# Altium PCB STB_SensorBoard.PcbDoc (part 1 of 4) (continued)
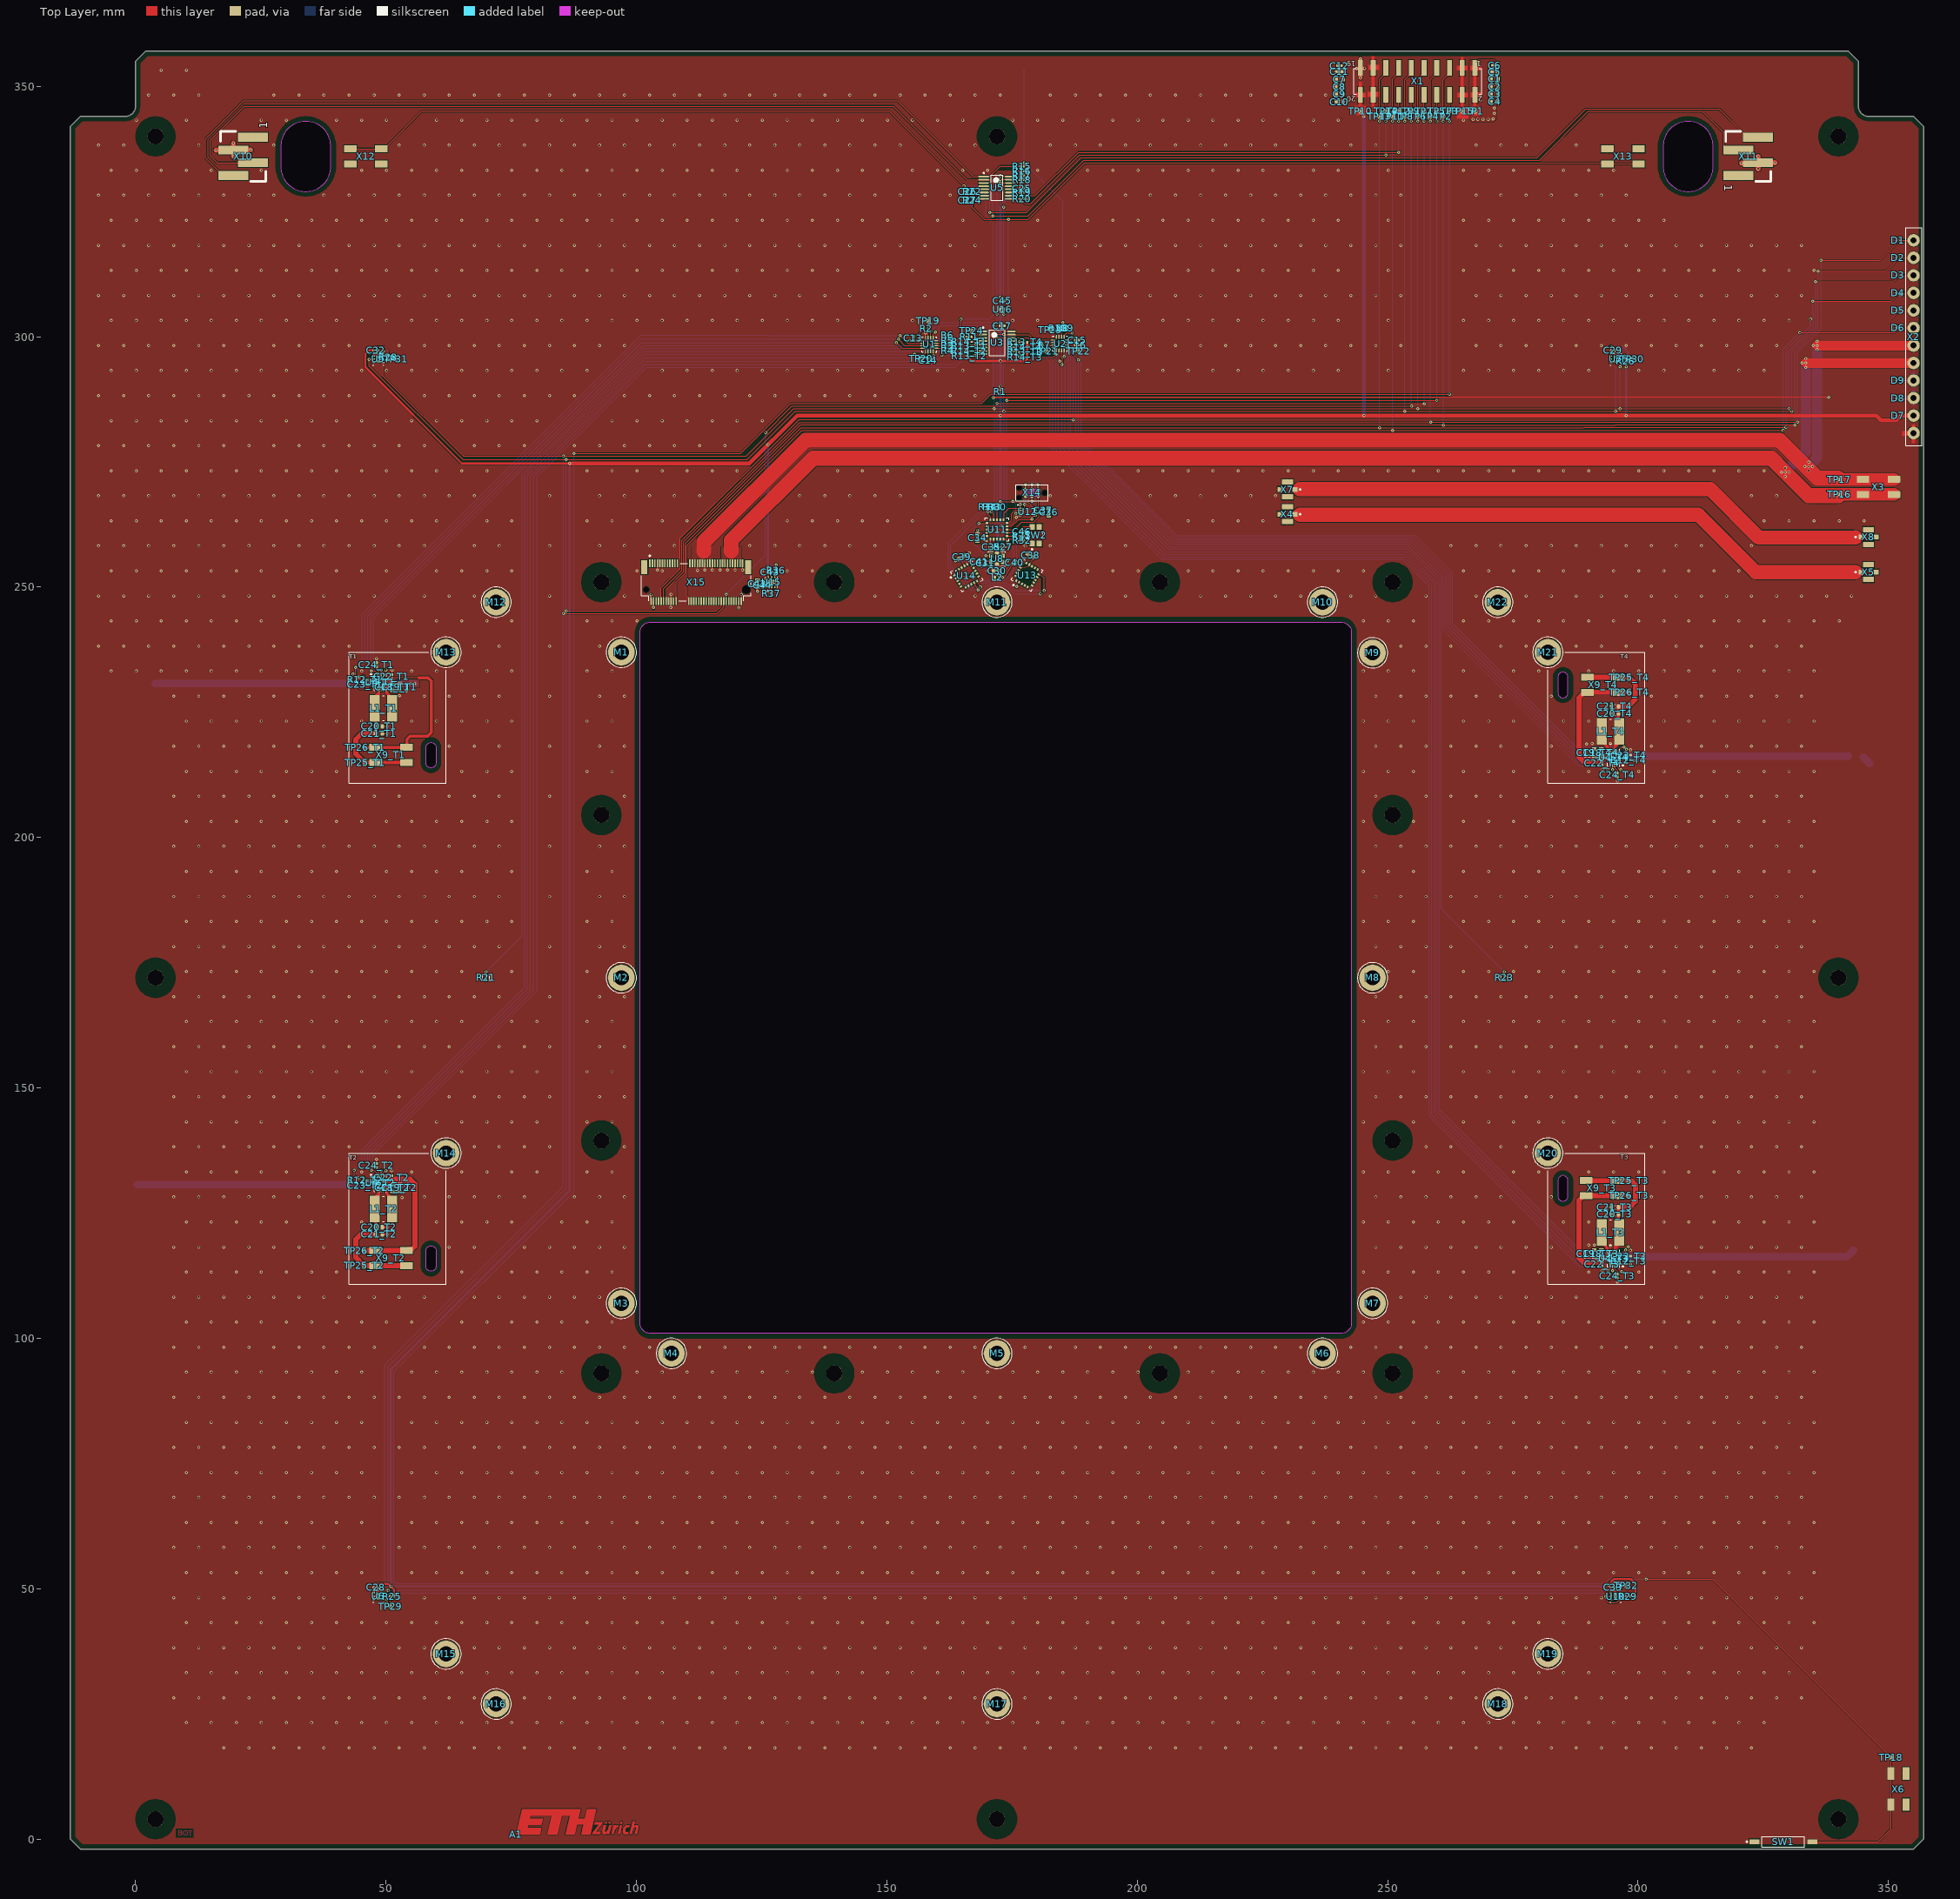
[diagram p0: Top Layer view]
## Components (designator, comment, footprint, x,y, rotation, side; value= is the part's Value field where it differs from the comment) (continued)
R6 "100k" RESC1005X40X25LL05T10 162.152,300.318 r180 top value="100 kOhm"
R7 "10k" RESC1005X40X25LL05T05 181.523,298.35 r180 top value="10 kOhm"
R8 "560k" RESC1005X40X25LL05T05 185.136,301.741 r270 top value="560 kOhm"
R9 "100k" RESC1005X40X25LL05T10 186.134,301.741 r270 top value="100 kOhm"
R10 "100k" RESC1005X40X25LL05T10 184.203,301.741 r270 top value="100 kOhm"
R11 "10k" RESC1005X40X25LL05T05 166.49,299.976 r0 top value="10 kOhm"
R12_T1 "10k" RESC1005X40X25LL05T05 45.9,231.532 r180 top value="10 kOhm" (schematic designator R12)
R12_T2 "10k" RESC1005X40X25LL05T05 45.9,131.532 r180 top value="10 kOhm" (schematic designator R12)
R12_T3 "10k" RESC1005X40X25LL05T05 298.1,115.438 r0 top value="10 kOhm" (schematic designator R12)
R12_T4 "10k" RESC1005X40X25LL05T05 298.1,215.468 r0 top value="10 kOhm" (schematic designator R12)
R13_T1 "10k" RESC1005X40X25LL05T05 166.49,298.1 r180 top value="10 kOhm" (schematic designator R13)
R13_T2 "10k" RESC1005X40X25LL05T05 166.49,296.168 r180 top value="10 kOhm" (schematic designator R13)
R13_T3 "10k" RESC1005X40X25LL05T05 177.625,296.886 r0 top value="10 kOhm" (schematic designator R13)
R13_T4 "10k" RESC1005X40X25LL05T05 177.625,298.882 r0 top value="10 kOhm" (schematic designator R13)
R14_T1 "10k" RESC1005X40X25LL05T05 166.495,299.043 r180 top value="10 kOhm" (schematic designator R14)
R14_T2 "10k" RESC1005X40X25LL05T05 166.495,297.112 r180 top value="10 kOhm" (schematic designator R14)
R14_T3 "10k" RESC1005X40X25LL05T05 177.625,295.842 r0 top value="10 kOhm" (schematic designator R14)
R14_T4 "10k" RESC1005X40X25LL05T05 177.62,297.939 r0 top value="10 kOhm" (schematic designator R14)
R15 "4k7" RESC1005X40X25LL05T10 177.028,334 r0 top value="4.7 kOhm"
R16 "4k7" RESC1005X40X25LL05T10 177.028,333.087 r0 top value="4.7 kOhm"
R17 "4k7" RESC1005X40X25LL05T10 177.028,332.2 r0 top value="4.7 kOhm"
R18 "4k7" RESC1005X40X25LL05T10 177.003,331.337 r0 top value="4.7 kOhm"
R19 "10k" RESC1005X40X25LL05T05 177.003,328.772 r0 top value="10 KOhm"
R20 "10k" RESC1005X40X25LL05T05 177.003,327.496 r0 top value="10 KOhm"
R21 "NCP15XH103F03RC" FP-NCP15-NCU15-0_05-IPC_C 70,172 r270 top value="10 kOhm"
R22 "1k6" RESC1005X40X25LL05T10 167.124,328.944 r90 top value="1.6 kOhm"
R23 "NCP15XH103F03RC" FP-NCP15-NCU15-0_05-IPC_C 273.325,172 r270 top value="10 kOhm"
R24 "1k6" RESC1005X40X25LL05T10 167.124,327.25 r90 top value="1.6 kOhm"
R25 "10k" RESC1005X40X25LL05T05 51.25,48.5 r0 top value="10 kOhm"
R26 "10k" RESC1005X40X25LL05T05 297.575,295.08 r270 top value="10 kOhm"
R27 "10k" RESC1005X40X25LL05T05 173.225,257.99 r180 top value="10 kOhm"
R28 "10k" RESC1005X40X25LL05T05 50.498,295.883 r90 top value="10 kOhm"
R29 "10k" RESC1005X40X25LL05T05 298,48.5 r0 top value="10 kOhm"
R30 "10k" RESC1005X40X25LL05T05 172,266.026 r90 top value="10 kOhm"
R31 "DNP" RESC1005X40X25LL05T05 176.983,260.2 r0 top value="10 kOhm"
R32 "DNP" RESC1005X40X25LL05T05 177.01,259.309 r0 top value="10 kOhm"
R33 "10k" RESC1005X40X25LL05T05 171.095,266.026 r90 top value="10 kOhm"
R34 "10k" RESC1005X40X25LL05T05 170.222,266.026 r90 top value="10 kOhm"
R36 "100k" RESC1005X40X25LL05T10 127.965,253.36 r270 top value="100 kOhm"
R37 "1M" RESC1005X40X25LL05T10 126.994,248.696 r90 top value="1 MOhm"
SW1 "MK17-B-2" SMEL-MK17-B-2_V 329,-0.5 r0 top
SW2 "DNP" PNSC-EVPAA_V 179.73,260.364 r90 top
TP1 "testPoint_1mm" TP-SM-C-100 267.43,345.002 r0 top
TP2 "testPoint_1mm" TP-SM-C-100 261.097,344.008 r90 top
TP3 "testPoint_1mm" TP-SM-C-100 262.35,345 r90 top
TP4 "testPoint_1mm" TP-SM-C-100 258.554,344.008 r90 top
TP5 "testPoint_1mm" TP-SM-C-100 259.81,345 r90 top
TP6 "testPoint_1mm" TP-SM-C-100 256,344 r90 top
TP7 "testPoint_1mm" TP-SM-C-100 257.27,345 r90 top
TP8 "testPoint_1mm" TP-SM-C-100 253.4,344 r90 top
TP9 "testPoint_1mm" TP-SM-C-100 254.73,345 r90 top
TP10 "testPoint_1mm" TP-SM-C-100 244.57,345 r90 top
TP11 "testPoint_1mm" TP-SM-C-100 251,344 r90 top
TP12 "testPoint_1mm" TP-SM-C-100 252.241,345 r90 top
TP13 "testPoint_1mm" TP-SM-C-100 248.381,343.997 r90 top
TP14 "testPoint_1mm" TP-SM-C-100 249.65,345 r90 top
TP15 "testPoint_1mm" TP-SM-C-100 264.89,345.007 r90 top
TP16 "testPoint_1mm" TP-SM-C-100 340.213,268.5 r90 top
TP17 "testPoint_1mm" TP-SM-C-100 340.213,271.5 r90 top
TP18 "testPoint_1mm" TP-SM-C-100 350.5,16.3 r90 top
TP19 "testPoint_1mm" TP-SM-C-100 158.225,303.2 r90 top
TP20 "testPoint_1mm" TP-SM-C-100 156.824,295.594 r90 top
TP21 "testPoint_1mm" TP-SM-C-100 181.923,297.089 r180 top
TP22 "testPoint_1mm" TP-SM-C-100 188.318,297.1 r180 top
TP23 "testPoint_1mm" TP-SM-C-100 182.673,301.366 r180 top
TP24 "testPoint_1mm" TP-SM-C-100 166.895,301.143 r90 top
TP25_T1 "testPoint_1mm" TP-SM-C-100 45.829,214.986 r0 top (schematic designator TP25)
TP25_T2 "testPoint_1mm" TP-SM-C-100 45.656,114.53 r0 top (schematic designator TP25)
TP25_T3 "testPoint_1mm" TP-SM-C-100 298.1,131.5 r0 top (schematic designator TP25)
TP25_T4 "testPoint_1mm" TP-SM-C-100 298.187,232 r180 top (schematic designator TP25)
TP26_T1 "testPoint_1mm" TP-SM-C-100 45.829,217.986 r0 top (schematic designator TP26)
TP26_T2 "testPoint_1mm" TP-SM-C-100 45.656,117.53 r0 top (schematic designator TP26)
TP26_T3 "testPoint_1mm" TP-SM-C-100 298.1,128.5 r0 top (schematic designator TP26)
TP26_T4 "testPoint_1mm" TP-SM-C-100 298.187,229 r180 top (schematic designator TP26)
TP29 "testPoint_1mm" TP-SM-C-100 50.879,46.5 r90 top
TP30 "testPoint_1mm" TP-SM-C-100 298.8,295.5 r90 top
TP31 "testPoint_1mm" TP-SM-C-100 52,295.5 r90 top
TP32 "testPoint_1mm" TP-SM-C-100 297.663,50.65 r90 top
U1 "AD5593RBCPZ-RL7" FP-CP-16-32-IPC_C 158.5,298.45 r0 top
U2 "AD5593RBCPZ-RL7" FP-CP-16-32-IPC_C 184.636,298.6 r90 top
U3 "PCA9646PW,118" TSSOP-16_N 172.05,298.8 r0 top
U4_T1 "MP8833GD-0000-Z" QFN40P200X300X100-16N 48.881,231.03 r0 top (schematic designator U4)
U4_T2 "MP8833GD-0000-Z" QFN40P200X300X100-16N 48.881,131.03 r0 top (schematic designator U4)
U4_T3 "MP8833GD-0000-Z" QFN40P200X300X100-16N 295.119,115.94 r180 top (schematic designator U4)
U4_T4 "MP8833GD-0000-Z" QFN40P200X300X100-16N 295.119,215.97 r180 top (schematic designator U4)
U5 "MAX6615AEE+T" MAXM-E16+1_M 172,329.75 r0 top
U6 "OPT3001DNPT" DNP0006A#1 48.5,48.5 r0 top locked
U7 "OPT3001DNPT" DNP0006A#2 295.5,295.5 r0 top locked
U8 "VEML6031X00" "6-SMD - No Thermal Pad_2" 172,255.651 r0 top
U9 "OPT3001DNPT" DNP0006A#2 48.5,295.5 r0 top locked
U10 "OPT3001DNPT" DNP0006A#2 295.5,48.5 r0 top locked
U11 "AS72651-BLGT" FP-AS72651-BLGT-MFG 172,261.5 r180 top
U12 "MX25L4006EZUI-12G" MXIC-USON-8_V 178.113,265.034 r0 top
U13 "AS72653-BLGT" FP-AS72653-BLGT-MFG 178,252.409 r60 top
U14 "AS72652-BLGT" FP-AS72652-BLGT-MFG 165.918,252.245 r30 top
U15 "TPS25200DRVT" FP-DRV0006A-MFG 126.996,251 r90 top
U16 "N24S64BC4DYT3G" "4-WLCSP (0.77x0.77)" 173.075,305.422 r0 top
X1 "61002021121" 61002021121 256,351 r180 top
X2 "1844317" 1844317 358.25,300 r90 top locked
X3 "2059-302/998-403" 2059-302/998-403 348,270 r0 top
X4 "73412-0110" MOLX-73412-0110_V 230,264.549 r90 top
X5 "73412-0110" MOLX-73412-0110_V 346,253 r270 top
X6 "2059-302/998-403" 2059-302/998-403 352,10 r270 top locked
X7 "73412-0110" MOLX-73412-0110_V 230,269.5 r90 top
X8 "73412-0110" MOLX-73412-0110_V 346,260 r270 top
X9_T1 "2059-302/998-403" 2059-302/998-403 51,216.5 r0 top (schematic designator X9)
X9_T2 "2059-302/998-403" 2059-302/998-403 51,116.03 r0 top (schematic designator X9)
X9_T3 "2059-302/998-403" 2059-302/998-403 292.733,130 r180 top (schematic designator X9)
X9_T4 "2059-302/998-403" 2059-302/998-403 293,230.5 r180 top (schematic designator X9)
X10 "3-647168-4" 3-647168-4 21.5,336 r90 top locked
X11 "3-647168-4" 3-647168-4 322,336 r270 top locked
X12 "2059-302/998-403" 2059-302/998-403 46,336 r180 top
X13 "2059-302/998-403" 2059-302/998-403 297,336 r0 top
X14 "TC2030-MCP-NL" TC2030-MCP-NL 178.975,268.835 r180 top
X15 "2199119-4" 2199119-4 111.95,251 r0 top locked

## Footprints (in the part's own frame and the unit in brackets; to place one, negate y for a bottom-side part, rotate by r counter-clockwise, add the part's x,y. Pads: shape width x height; smd on the part's side, far side on the other; paste and mask are expansions set on the pad)
3-647168-4 [mm] "04P MTA100 HDR ASSY SM 30AU LF"
  rect 1.78x5.97 smd paste-1: 1(3.81,-1.965) 2(1.27,1.965) 3(-1.27,-1.965) 4(-3.81,1.965)
  silkscreen extent -5,-4.5 5,4.5, body extent -5.08,-4.27 5.08,4.31, height 10.67
"4-WLCSP (0.77x0.77)" [mm] "BGA, 4-Balls, Body 0.77x0.77mm, Pitch 0.4mm"
  round 0.22 smd mask+0.032: A1(-0.2,0.2) A2(0.2,0.2) B1(-0.2,-0.2) B2(0.2,-0.2)
  silkscreen extent -0.55,-0.39 0.39,0.57, body extent -0.33,-0.33 0.33,0.33, height 0.4
"6-SMD - No Thermal Pad_2" [mm] "SMD, 6-Leads, Body 2.67x2.45mm"
  rect 0.85x0.79 smd: 1(0,-1.035) 4(0,1.035)
  rect 0.79x0.85 smd: 2(1.145,-0.6) 3(1.145,0.6) 5(-1.145,0.6) 6(-1.145,-0.6)
  silkscreen extent -1.65,-1.95 1.65,1.52, body extent -1.34,-1.23 1.34,1.23, height 0.6
2059-302/998-403 [mm] "2 pos"
  rect 2.5x1.4 smd paste-100: 1(-3.1,-1.5) 1(3.1,-1.5) 2(-3.1,1.5) 2(3.1,1.5)
  body extent -4,-2.95 3.85,2.95, height 2.7
1844317 [mm] "12 Position Terminal Block Header, Male Pins, Shrouded (4 Side) 0.138\" (3.50mm) 90°, Right Angle Through Hole"
  round 2.5 hole 1.2: 1(-19.25,3.25) 2(-15.75,3.25) 3(-12.25,3.25) 4(-8.75,3.25) 5(-5.25,3.25) 6(-1.75,3.25) 7(1.75,3.25) 8(5.25,3.25) 9(8.75,3.25) 10(12.25,3.25) 11(15.75,3.25) 12(19.25,3.25)
  silkscreen extent -21.75,1.61 21.75,4.75, body extent -21.7,-4.75 21.7,4.45, height 7.26
2199119-4 [mm] "CONN FEMALE 67POS 0.020 GOLD"
  rect 0.3x1.55 smd: 1(-9.25,3.775) 2(-9,-3.775) 3(-8.75,3.775) 4(-8.5,-3.775) 5(-8.25,3.775) 6(-8,-3.775) 7(-7.75,3.775) 8(-7.5,-3.775) 9(-7.25,3.775) 10(-7,-3.775) 11(-6.75,3.775) 12(-6.5,-3.775) 13(-6.25,3.775) 14(-6,-3.775) 15(-5.75,3.775) 16(-5.5,-3.775) 17(-5.25,3.775) 18(-5,-3.775) 19(-4.75,3.775) 20(-4.5,-3.775) 21(-4.25,3.775) 22(-4,-3.775) 23(-3.75,3.775) 32(-1.5,-3.775) 33(-1.25,3.775) 34(-1,-3.775) 35(-0.75,3.775) 36(-0.5,-3.775) 37(-0.25,3.775) 38(0,-3.775) 39(0.25,3.775) 40(0.5,-3.775) 41(0.75,3.775) 42(1,-3.775) 43(1.25,3.775) 44(1.5,-3.775) 45(1.75,3.775) 46(2,-3.775) 47(2.25,3.775) 48(2.5,-3.775) 49(2.75,3.775) 50(3,-3.775) 51(3.25,3.775) 52(3.5,-3.775) 53(3.75,3.775) 54(4,-3.775) 55(4.25,3.775) 56(4.5,-3.775) 57(4.75,3.775) 58(5,-3.775) 59(5.25,3.775) 60(5.5,-3.775) 61(5.75,3.775) 62(6,-3.775) 63(6.25,3.775) 64(6.5,-3.775) 65(6.75,3.775) 66(7,-3.775) 67(7.25,3.775) 68(7.5,-3.775) 69(7.75,3.775) 70(8,-3.775) 71(8.25,3.775) 72(8.5,-3.775) 73(8.75,3.775) 74(9,-3.775) 75(9.25,3.775)
  rect 1.2x2.75 smd: 76(-10.35,3) 77(10.35,3)
  round 0.5 hole 1.1 unplated mask+0.3: ""(-10,-1.5)
  round 1 hole 1.6 unplated mask+0.3: ""(10,-1.5)
  silkscreen extent -10.95,-3.75 10.95,5.37, body extent -10.95,-4.35 10.95,4.35, height 3.11
9774015243R [mm] "Round Standoff Threaded M2x0.4 Steel 0.059\" (1.50mm)"
  round 5.3 hole 3: 1(0,0)
  silkscreen extent -3.03,-3.03 3.03,3.03, body extent -2.17,-2.17 2.18,2.17, height 1.51
61002021121 [mm] "Pin Header, pitch 2.54 mm, SMD, Vertical, dual row, 20p"
  rect 1x3.1 smd: 1(-11.43,-2.7) 2(-11.43,2.7) 3(-8.89,-2.7) 4(-8.89,2.7) 5(-6.35,-2.7) 6(-6.35,2.7) 7(-3.81,-2.7) 8(-3.81,2.7) 9(-1.27,-2.7) 10(-1.27,2.7) 11(1.27,-2.7) 12(1.27,2.7) 13(3.81,-2.7) 14(3.81,2.7) 15(6.35,-2.7) 16(6.35,2.7) 17(8.89,-2.7) 18(8.89,2.7) 19(11.43,-2.7) 20(11.43,2.7)
  silkscreen extent -12.78,-2.56 12.78,2.57, body extent -12.7,-3.75 12.7,3.75, height 9.62
CAPC0603(1608)100_L [mm] "Chip Capacitor, Body 1.6x0.8mm, Height 1.0mm, IPC High Density"
  rect 0.7x0.9 smd: 1(-0.7,0) 2(0.7,0)
  silkscreen extent -0.05,-0.35 0.05,0.35, body extent -0.87,-0.47 0.88,0.48, height 1
CAPC1005X55X25ML5T10 [mm] "Chip Capacitor, 2-Leads, Body 1.05x0.55mm, IPC Low Density"
  rect 0.76x0.72 smd: 1(-0.49,0) 2(0.49,0)
  body extent -0.53,-0.28 0.53,0.28, height 0.55
CAPC1005X56X25LL10T15 [mm] "Chip Capacitor, 2-Leads, Body 1.00x0.50mm, IPC High Density"
  rect 0.58x0.54 smd: 1(-0.39,0) 2(0.39,0)
  body extent -0.55,-0.3 0.55,0.3, height 0.56
CAPC1050X55X23LL05T13 [mm] "Chip Capacitor, 2-Leads, Body 1.05x0.55mm, IPC High Density"
  rect 0.56x0.52 smd: 1(-0.39,0) 2(0.39,0)
  body extent -0.53,-0.28 0.53,0.28, height 0.55
CAPC1608X90X35LL15T15 [mm] "Chip Capacitor, 2-Leads, Body 1.60x0.81mm, IPC High Density"
  rect 0.85x0.9 smd: 1(-0.65,0) 2(0.65,0)
  body extent -0.88,-0.48 0.87,0.48, height 0.9
DNP0006A#1 [mm] "SON, 6-Leads, Body 2.1x2.1mm, Pitch 0.65mm, Thermal Pad 1.35x0.65mm"
  rrect40% 0.5x0.25 smd: 1(-0.95,0.75) 2(-0.95,0) 3(-0.95,-0.655) 4(0.95,-0.65) 5(0.95,0) 6(0.95,0.65)
  rrect15% 0.65x1.35 smd paste-0.5: 7(0,0)
  silkscreen extent -1.12,-1.15 1.12,1.15, body extent -1,-1 1,1, height 0.64
DNP0006A#2 [mm] "SON, 6-Leads, Body 2.1x2.1mm, Pitch 0.65mm, Thermal Pad 1.35x0.65mm"
  rrect40% 0.5x0.25 smd: 1(-0.95,0.65) 2(-0.95,0) 3(-0.95,-0.655) 4(0.95,-0.65) 5(0.95,0) 6(0.95,0.65)
  rrect15% 0.65x1.35 smd paste-0.5: 7(0,0)
  silkscreen extent -1.12,-1.15 1.12,1.15, body extent -1,-1 1,1, height 0.64
eth-zurich_5mm [mm] "Logo ETH Zurich"
  Top Layer circle w0.5: c20.997,2.288 r0.001
  Top Layer circle w0.45: c18.655,2.315 r0.001
  Top Layer circle w0.45: c17.94,2.315 r0.001
  Top Layer region: 23.53,1.6 23.53,1.6 23.415,1.465 23.667,2.602 23.257,2.602 22.69,0.04 23.1,0.04 23.25,0.723 23.335,0.925 23.435,1.105 23.535,1.265 23.635,1.37 23.715,1.425 23.795,1.465 23.855,1.465 23.915,1.445 23.955,1.405 23.965,1.345 23.965,1.265 23.955,1.195 23.697,0.04 24.142,0.04 24.335,0.925 24.408,1.255 24.415,1.405 24.395,1.545 24.355,1.665 24.275,1.745 24.175,1.805 24.095,1.825 23.935,1.825 23.775,1.785 23.635,1.705
  Top Layer region: 22.69,1.753 22.69,1.753 22.6,1.785 22.5,1.8 22.34,1.8 22.16,1.785 21.97,1.74 21.81,1.66 21.68,1.56 21.6,1.48 21.52,1.38 21.45,1.26 21.4,1.14 21.35,1 21.32,0.87 21.3,0.74 21.3,0.57 21.32,0.42 21.35,0.32 21.4,0.22 21.46,0.14 21.54,0.08 21.63,0.04 21.72,0.02 21.92,0 22.02,0 22.2,0.02 22.313,0.048 22.36,0.06 22.403,0.453 22.31,0.42 22.18,0.39 22.08,0.38 22.01,0.38 21.93,0.4 21.86,0.44 21.82,0.48 21.79,0.54 21.77,0.61 21.76,0.68 21.76,0.77 21.78,0.9 21.82,1.03 21.87,1.14 21.93,1.23 22.02,1.34 22.1,1.39 22.18,1.42 22.26,1.43 22.38,1.43 22.49,1.42 22.54,1.41 22.61,1.39
  Top Layer region: 20.73,0.04 20.73,0.04 21.117,1.785 20.707,1.785 20.32,0.04
  Top Layer region: 19.763,1.3 19.763,1.3 19.87,1.785 19.46,1.785 19.072,0.04 19.483,0.04 19.545,0.323 19.64,0.63 19.75,0.9 19.84,1.07 19.965,1.235 20.05,1.32 20.12,1.37 20.19,1.4 20.24,1.4 20.308,1.382 20.4,1.8 20.34,1.81 20.28,1.81 20.22,1.8 20.13,1.76 20.07,1.72 19.99,1.65 19.92,1.58 19.84,1.46
  Top Layer region: 18.61,0.04 18.61,0.04 18.998,1.785 18.535,1.785 18.385,1.102 18.3,0.9 18.2,0.72 18.1,0.56 18,0.455 17.92,0.4 17.84,0.36 17.78,0.36 17.72,0.38 17.68,0.42 17.67,0.48 17.67,0.56 17.68,0.63 17.938,1.785 17.492,1.785 17.3,0.9 17.227,0.57 17.22,0.42 17.24,0.28 17.28,0.16 17.36,0.08 17.46,0.02 17.54,0 17.7,0 17.86,0.04 18,0.12 18.105,0.225 18.22,0.36 18.15,0.04
  Top Layer region: 17.265,2.4 17.265,2.4 15.753,2.4 15.66,1.985 16.575,1.985 15.288,0.308 15.23,0.04 16.74,0.04 16.833,0.455 15.915,0.455 17.207,2.14
  Top Layer region: 14.825,0 14.825,0 16,5 14.155,5 13.712,3.117 12.432,3.117 12.872,5 1.175,5 0,0 1.953,0 4.73,0 5.035,1.3 2.26,1.3 2.402,1.91 5.058,1.91 5.34,3.11 2.682,3.11 2.822,3.7 7.123,3.7 6.25,0 8.205,0 9.075,3.7 10.723,3.7 9.855,0 11.7,0 12.15,1.917 13.43,1.917 12.98,0
FP-AS72651-BLGT-MFG [mm]
  rect 0.55x0.4 smd paste+0 mask+0: 1(-2.025,1.3) 2(-2.025,0.65) 3(-2.025,0) 4(-2.025,-0.65) 5(-2.025,-1.3) 11(2.025,-1.3) 12(2.025,-0.65) 13(2.025,0) 14(2.025,0.65) 15(2.025,1.3)
  rect 0.4x0.55 smd paste+0 mask+0: 6(-1.3,-1.925) 7(-0.65,-1.925) 8(0,-1.925) 9(0.65,-1.925) 10(1.3,-1.925) 16(1.3,1.925) 17(0.65,1.925) 18(0,1.925) 19(-0.65,1.925) 20(-1.3,1.925)
  silkscreen extent -3.35,-2.3 2.4,2.3, body extent -2.9,-2.8 2.9,2.8, height 0.25
FP-AS72652-BLGT-MFG [mm]
  rect 0.55x0.4 smd paste+0 mask+0: 1(-2.025,1.3) 2(-2.025,0.65) 3(-2.025,0) 4(-2.025,-0.65) 5(-2.025,-1.3) 11(2.025,-1.3) 12(2.025,-0.65) 13(2.025,0) 14(2.025,0.65) 15(2.025,1.3)
  rect 0.4x0.55 smd paste+0 mask+0: 6(-1.3,-1.925) 7(-0.65,-1.925) 8(0,-1.925) 9(0.65,-1.925) 10(1.3,-1.925) 16(1.3,1.925) 17(0.65,1.925) 18(0,1.925) 19(-0.65,1.925) 20(-1.3,1.925)
  silkscreen extent -3,-2.3 2.4,2.3, body extent -2.9,-2.8 2.9,2.8, height 0.25
FP-AS72653-BLGT-MFG [mm]
  rect 0.55x0.4 smd paste+0 mask+0: 1(-2.025,1.3) 2(-2.025,0.65) 3(-2.025,0) 4(-2.025,-0.65) 5(-2.025,-1.3) 11(2.025,-1.3) 12(2.025,-0.65) 13(2.025,0) 14(2.025,0.65) 15(2.025,1.3)
  rect 0.4x0.55 smd paste+0 mask+0: 6(-1.3,-1.925) 7(-0.65,-1.925) 8(0,-1.925) 9(0.65,-1.925) 10(1.3,-1.925) 16(1.3,1.925) 17(0.65,1.925) 18(0,1.925) 19(-0.65,1.925) 20(-1.3,1.925)
  silkscreen extent -3.21,-2.3 2.4,2.3, body extent -2.09,-2 2.07,2.02, height 2.2
FP-CP-16-32-IPC_C [mm]
  rect 0.81x0.242 smd paste+0 mask+0: 1(-1.351,0.75)
  rrect100% 0.81x0.242 smd paste+0 mask+0: 2(-1.351,0.25) 3(-1.351,-0.25) 4(-1.351,-0.75) 9(1.351,-0.75) 10(1.351,-0.25) 11(1.351,0.25) 12(1.351,0.75)
  rrect100% 0.242x0.81 smd paste+0 mask+0: 5(-0.75,-1.351) 6(-0.25,-1.351) 7(0.25,-1.351) 8(0.75,-1.351) 13(0.75,1.351) 14(0.25,1.351) 15(-0.25,1.351) 16(-0.75,1.351)
  silkscreen extent -2.28,-1.5 1.5,1.5, body extent -1.86,-1.86 1.86,1.86, height 0.25
FP-DRV0006A-MFG [mm]
  rrect33% 0.45x0.3 smd paste+0 mask+0: 1(-0.975,0.65) 2(-0.975,0) 3(-0.975,-0.65) 4(0.975,-0.65) 5(0.975,0) 6(0.975,0.65)
  rrect10% 1x1.6 smd paste-1000 mask+0: 7(0,0)
  silkscreen extent -1.87,-1.17 1.05,1.17, body extent -1.3,-1.15 1.3,1.15, height 0.25
FP-NCP15-NCU15-0_05-IPC_C [mm]
  rect 0.515x0.472 smd paste+0 mask+0: 1(-0.379,0) 2(0.379,0)
  silkscreen extent -0.64,-0.67 0.64,0.67, body extent -0.74,-0.38 0.74,0.38, height 0.25
INDC1005X07L [mm] "Chip Inductor, 2-Leads, Body 1.00x0.50mm, IPC High Density"
  rect 0.57x0.58 smd: 1(-0.42,0) 2(0.42,0)
  silkscreen extent -0.15,-0.45 0.15,0.45, body extent -0.58,-0.33 0.58,0.33, height 0.65
MAXM-E16+1_M [mm] "SOP, 16-Leads, Body 4.9x3.89mm, Pitch 0.635mm, IPC Low Density"
  oval 2.1x0.35 smd: 1(-2.65,2.222) 2(-2.65,1.587) 3(-2.65,0.953) 4(-2.65,0.318) 5(-2.65,-0.318) 6(-2.65,-0.953) 7(-2.65,-1.587) 8(-2.65,-2.222) 9(2.65,-2.222) 10(2.65,-1.587) 11(2.65,-0.953) 12(2.65,-0.318) 13(2.65,0.318) 14(2.65,0.953) 15(2.65,1.587) 16(2.65,2.222)
  silkscreen extent -2.77,-2.5 1.2,3.07, body extent -2,-2.5 2,2.5, height 1.75
MOLX-73412-0110_V [mm] "MCRF, 4-Leads, Body 2.6x2.6mm"
  rect 1x1 smd: 1(0,-1.5) 3(0,1.5)
  rect 1.05x2.2 smd: 2(-1.475,0) 4(1.475,0)
  silkscreen extent -0.12,-2.68 0.12,-2.43, body extent -1.3,-1.3 1.3,1.3, height 1.3
MXIC-USON-8_V [mm] "USON, 8-Leads, Body 3.1x2.1mm, Pitch 0.5mm, Thermal Pad 1.6x0.2mm"
  rect 0.72x0.25 smd mask+0.102: 1(-1.5,0.75) 2(-1.5,0.25) 3(-1.5,-0.25) 4(-1.5,-0.75) 5(1.5,-0.75) 6(1.5,-0.25) 7(1.5,0.25) 8(1.5,0.75)
  rect 0.2x1.6 smd mask+0.102: 9(0,0)
  silkscreen extent -2,1.29 -1.9,1.39, body extent -1.55,-1.05 1.55,1.05, height 0.6
ONSC-SOD-923-2-514AA-01_V [mm] "SOD, 2-Leads, Body 0.8x0.6mm"
  rect 0.36x0.25 smd: 1(-0.42,0) 2(0.42,0)
  silkscreen extent -0.47,0.48 -0.37,0.57, body extent -0.4,-0.3 0.4,0.3, height 0.43
ONSC-SOD-923-2-514AB-01_V [mm] "SOD, 2-Leads, Body 0.8x0.6mm"
  rect 0.36x0.25 smd: 1(-0.42,0) 2(0.42,0)
  silkscreen extent -0.47,0.48 -0.37,0.57, body extent -0.4,-0.3 0.4,0.3, height 0.4
PNSC-EVPAA_V [mm] "SMD, 4-Leads, Body 2.9x3.5mm, Pitch 1.45mm"
  rect 1.15x1.05 smd: 1(-1.675,0.725) 2(-1.675,-0.725) 3(1.675,0.725) 4(1.675,-0.725)
  silkscreen extent -2.92,-1.45 0.7,1.45, body extent -1.75,-1.45 1.75,1.45, height 1.9
QFN40P200X300X100-16N [mm] "QFN, 16-Leads, Body 2.00x3.00mm, Pitch 0.40mm, IPC Medium Density"
  oval 1x0.2 smd: 1(-0.85,0.6) 2(-0.85,0.2) 3(-0.85,-0.2) 4(-0.85,-0.6) 9(0.85,-0.6) 10(0.85,-0.2) 11(0.85,0.2) 12(0.85,0.6)
  oval 0.2x1 smd: 5(-0.6,-1.35) 6(-0.2,-1.35) 7(0.2,-1.35) 8(0.6,-1.35) 13(0.6,1.35) 14(0.2,1.35) 15(-0.2,1.35) 16(-0.6,1.35)
  silkscreen extent -1.97,-1.7 1.2,1.7, body extent -1.05,-1.55 1.05,1.55, height 1
RESC1005X40X25LL05T05 [mm] "Chip Resistor, 2-Leads, Body 1.05x0.55mm, IPC High Density"
  rect 0.45x0.45 smd: 1(-0.4,0) 2(0.4,0)
  body extent -0.53,-0.28 0.53,0.28, height 0.4
RESC1005X40X25LL05T10 [mm] "Chip Resistor, 2-Leads, Body 1.00x0.50mm, IPC High Density"
  rect 0.5x0.45 smd: 1(-0.375,0) 2(0.375,0)
  body extent -0.53,-0.27 0.53,0.28, height 0.4
SMEL-MK17-B-2_V [mm] "SMD, 2-Leads, Body 8.5x2.1mm"
  rect 2x1 smd: 1(-5.75,0) 2(5.75,0)
  silkscreen extent -7.42,-1.05 4.25,1.05, body extent -6.25,-1.15 6.25,1.15, height 2.36
TC2030-MCP-NL [mil] "CABLE TAG-CONNECT IN-CIRCUIT"
  round 31 smd paste-33: 1(-50,-25) 2(-50,25) 3(0,-25) 4(0,25) 5(50,-25) 6(50,25)
  round 20 hole 39.37 unplated: ""(-100,0) ""(100,-40) ""(100,40)
  Top Layer keep-out region: 9.5,-25 40.5,-25 40.5,25 9.5,25
  Top Layer keep-out region: -40.5,-25 -9.5,-25 -9.5,25 -40.5,25
  Top Layer keep-out region: -50,-9.5 50,-9.5 50,9.5 -50,9.5
  silkscreen extent -126,-63 126,63
TP-SM-C-100 [mm] "Test Point, Surface Mounting, Circular, Pad Diameter 1mm"
  round 1 smd paste-1: TP(0,0)
TSSOP-16_N [mm] "SOP, 16-Leads, Body 5x4.4mm, Pitch 0.65mm, IPC Medium Density"
  oval 1.7x0.35 smd: 1(-2.85,2.275) 2(-2.85,1.625) 3(-2.85,0.975) 4(-2.85,0.325) 5(-2.85,-0.325) 6(-2.85,-0.975) 7(-2.85,-1.625) 8(-2.85,-2.275) 9(2.85,-2.275) 10(2.85,-1.625) 11(2.85,-0.975) 12(2.85,-0.325) 13(2.85,0.325) 14(2.85,0.975) 15(2.85,1.625) 16(2.85,2.275)
  silkscreen extent -2.97,-2.55 1.6,3.12, body extent -2.25,-2.55 2.25,2.55, height 1.2
WE-TPC-4818-M [mm] "SMD Inductor, 2-Leads, Body 4.8 x 4.8 mm"
  rect 2x5.3 smd: 1(-1.75,0) 2(1.75,0)
  silkscreen extent -0.15,-2.5 0.15,2.5, body extent -2.4,-2.4 2.4,2.4, height 1.79

## Part data
A1: library part CMP-00038-1
C1 C2 C3 C4 C7 C8 C9 C10 C18_T1 C18_T2 C18_T3 C18_T4 C19_T1 C19_T2 C19_T3 C19_T4 C20_T1 C20_T2 C20_T3 C20_T4 C21_T1 C21_T2 C21_T3 C21_T4 C42: library part CMP-1035-02799-1, "CAP 10uF 10V ±10% 0603 (1608 Metric) Thickness 1mm SMD", Case Code (Imperial)=0603, Case Code (Metric)=1608, Dielectric=X5R, Manufacturer=Samsung, Manufacturer Part Number=CL10A106MP8NNNC, Max Operating Temperature=85°C, Min Operating Temperature=-55°C, Package Quantity=1, Rated Voltage="10 V", Supplier Part Number 1=1276-1871-1-ND, Tolerance=Â±10%, Voltage Rating=10V, Capacitance=10uF, Case-EIA=0603, Case-Metric=1608, Case/Package=0603, Category="Ceramic Capacitors", ComponentLink1Description=https://datasheet.ciiva.com/25793/cl10a106mp8nnnc-25793222.pdf?src-supplier=Digi-Key, ComponentLink1URL=https://datasheet.ciiva.com/25793/cl10a106mp8nnnc-25793222.pdf?src-supplier=Digi-Key, ComponentLink2Description=https://datasheet.ciiva.com/16200/cl10a106mp8nnnc-16200411.pdf?src-supplier=Future+Electronics, ComponentLink2URL=https://datasheet.ciiva.com/16200/cl10a106mp8nnnc-16200411.pdf?src-supplier=Future+Electronics, ComponentLink3Description=https://datasheet.ciiva.com/26946/getdatasheetpartid-357531-26946980.pdf?src-supplier=Verical, ComponentLink3URL=https://datasheet.ciiva.com/26946/getdatasheetpartid-357531-26946980.pdf?src-supplier=Verical, Contact Plating=Tin, Depth=0.8mm, Height=0.8mm, Lead Free="Lead Free", Length=1.6mm, Max Thickness="1 mm", Mount="Surface Mount", Packaging="Tape and Reel", Pricing 1="1=0.26000, 10=0.17600, 50=0.10580, 100=0.08930, 500=0.06112, 1000=0.05407 (USD)", Radiation Hardening=No, RoHS=Yes, Stock 1=643992, Supplier 1=Digi-Key, Technology=SMT, Thickness=0.035inch, Voltage Rating (DC)=10V, Width=0.031inch
C5 C11: library part CMP-1662-00017-1, "Chip Capacitor, 1 nF, +/- 10%, 50 V, -55 to 125 degC, 0402 (1005 Metric), RoHS, Tape and Reel", Capacitor Type=Ceramic, Case Code (Imperial)=0402, Case Code (Metric)=1005, Manufacturer=Murata, Manufacturer Part Number=GRM155R71H102KA01D, Max Operating Temperature="125 degC", Min Operating Temperature="-55 degC", Negative Tolerance=10%, Package Quantity=10000, Package Shape=Rectangular, Package Style=SMTMeter, Rated DC Voltage (URdc)=50V, Supplier Part Number 1=490-1303-6-ND, Temperature Characteristics Code=X7R, Voltage Rating="50 V", Case\/Package=0402, Category="Ceramic Capacitors", ComponentLink1Description="Manufacturer URL", ComponentLink1URL=http://www.murata.com/, ComponentLink2Description=Datasheet, ComponentLink2URL=http://psearch.en.murata.com/capacitor/product/GRM155R71H102KA01%23.pdf, ComponentLink3Description=https://datasheet.ciiva.com:443/pdfs/VipMasterIC/IC/MURE/MURE-S-A0008911154/MURE-S-A0008911121-1.pdf?src-supplier=IHS+Markit, ComponentLink3URL=https://datasheet.ciiva.com:443/pdfs/VipMasterIC/IC/MURE/MURE-S-A0008911154/MURE-S-A0008911121-1.pdf?src-supplier=IHS+Markit, ComponentLink4Description=https://datasheet.ciiva.com/6072/1784401-6072451.pdf?src-supplier=Farnell, ComponentLink4URL=https://datasheet.ciiva.com/6072/1784401-6072451.pdf?src-supplier=Farnell, ComponentLink5Description=https://datasheet.ciiva.com/129/partnumbering-e-01-129755.pdf?src-supplier=Digi-Key, ComponentLink5URL=https://datasheet.ciiva.com/129/partnumbering-e-01-129755.pdf?src-supplier=Digi-Key, ComponentLink6Description=https://datasheet.ciiva.com/18101/getdatasheetpartid-37826-18101056.pdf?src-supplier=Verical, ComponentLink6URL=https://datasheet.ciiva.com/18101/getdatasheetpartid-37826-18101056.pdf?src-supplier=Verical, ComponentLink7Description=https://datasheet.ciiva.com/29199/454211-da-01-en-vs-kondensator-0402-29199736.pdf?src-supplier=Conrad, ComponentLink7URL=https://datasheet.ciiva.com/29199/454211-da-01-en-vs-kondensator-0402-29199736.pdf?src-supplier=Conrad, ComponentLink8Description=https://datasheet.ciiva.com/14116/grmseries-highdielectrictype-eng-14116845.pdf?src-supplier=Distrelec, ComponentLink8URL=https://datasheet.ciiva.com/14116/grmseries-highdielectrictype-eng-14116845.pdf?src-supplier=Distrelec, ComponentLink9Description=https://datasheet.ciiva.com/14116/grmseries-highdielectrictype-eng-14116906.pdf?src-supplier=Distrelec, ComponentLink9URL=https://datasheet.ciiva.com/14116/grmseries-highdielectrictype-eng-14116906.pdf?src-supplier=Distrelec, ComponentLink10Description=https://datasheet.ciiva.com/28659/608985-28659452.pdf?src-supplier=Element14, ComponentLink10URL=https://datasheet.ciiva.com/28659/608985-28659452.pdf?src-supplier=Element14, ComponentLink11Description=https://datasheet.ciiva.com/129/partnumbering-e-01-129754.pdf?src-supplier=Digi-Key, ComponentLink11URL=https://datasheet.ciiva.com/129/partnumbering-e-01-129754.pdf?src-supplier=Digi-Key, ComponentLink12Description=https://datasheet.ciiva.com/129/partnumbering-e-01-129753.pdf?src-supplier=Digi-Key, ComponentLink12URL=https://datasheet.ciiva.com/129/partnumbering-e-01-129753.pdf?src-supplier=Digi-Key, ComponentLink13Description=https://datasheet.ciiva.com/24217/c02e-24217773.pdf?src-supplier=Mouser, ComponentLink13URL=https://datasheet.ciiva.com/24217/c02e-24217773.pdf?src-supplier=Mouser, DatasheetVersion=07/2016, Dielectric Material=Ceramic, Height="0.5 mm", JESD-609 Code=e3, Length="1 mm", Mount="Surface Mount", Mounting Technology="Surface Mount", Multilayer=Yes, Number of Pins=2, PackageDescription="2-Pin Surface Mount Device, Body 1 x 0.5 mm", PackageReference=0402, Packaging="Tape and Reel", Pins=2, Positive Tolerance=10%, Pricing 1="1=0.10000, 10=0.01800, 50=0.01000, 100=0.00810, 500=0.00578, 1000=0.00454, 2500=0.00412, 5000=0.00380 (USD)", Radiation Hardening=No, REACH SVHC="No SVHC", Reach SVHC Compliant=Yes, RoHS=Yes, RoHS Compliant=Yes, RoHSCompliant=true, Size Code=0402, Stock 1=8959614, Supplier 1=Digi-Key, Terminal Finish=Nickel, Termination=Wraparound, Tolerance=10%, Type (Capacitors)=X7R, Voltage Rating (DC)="50 V", Width="0.5 mm"